# KiCad board selen-full_narrow.kicad_pcb
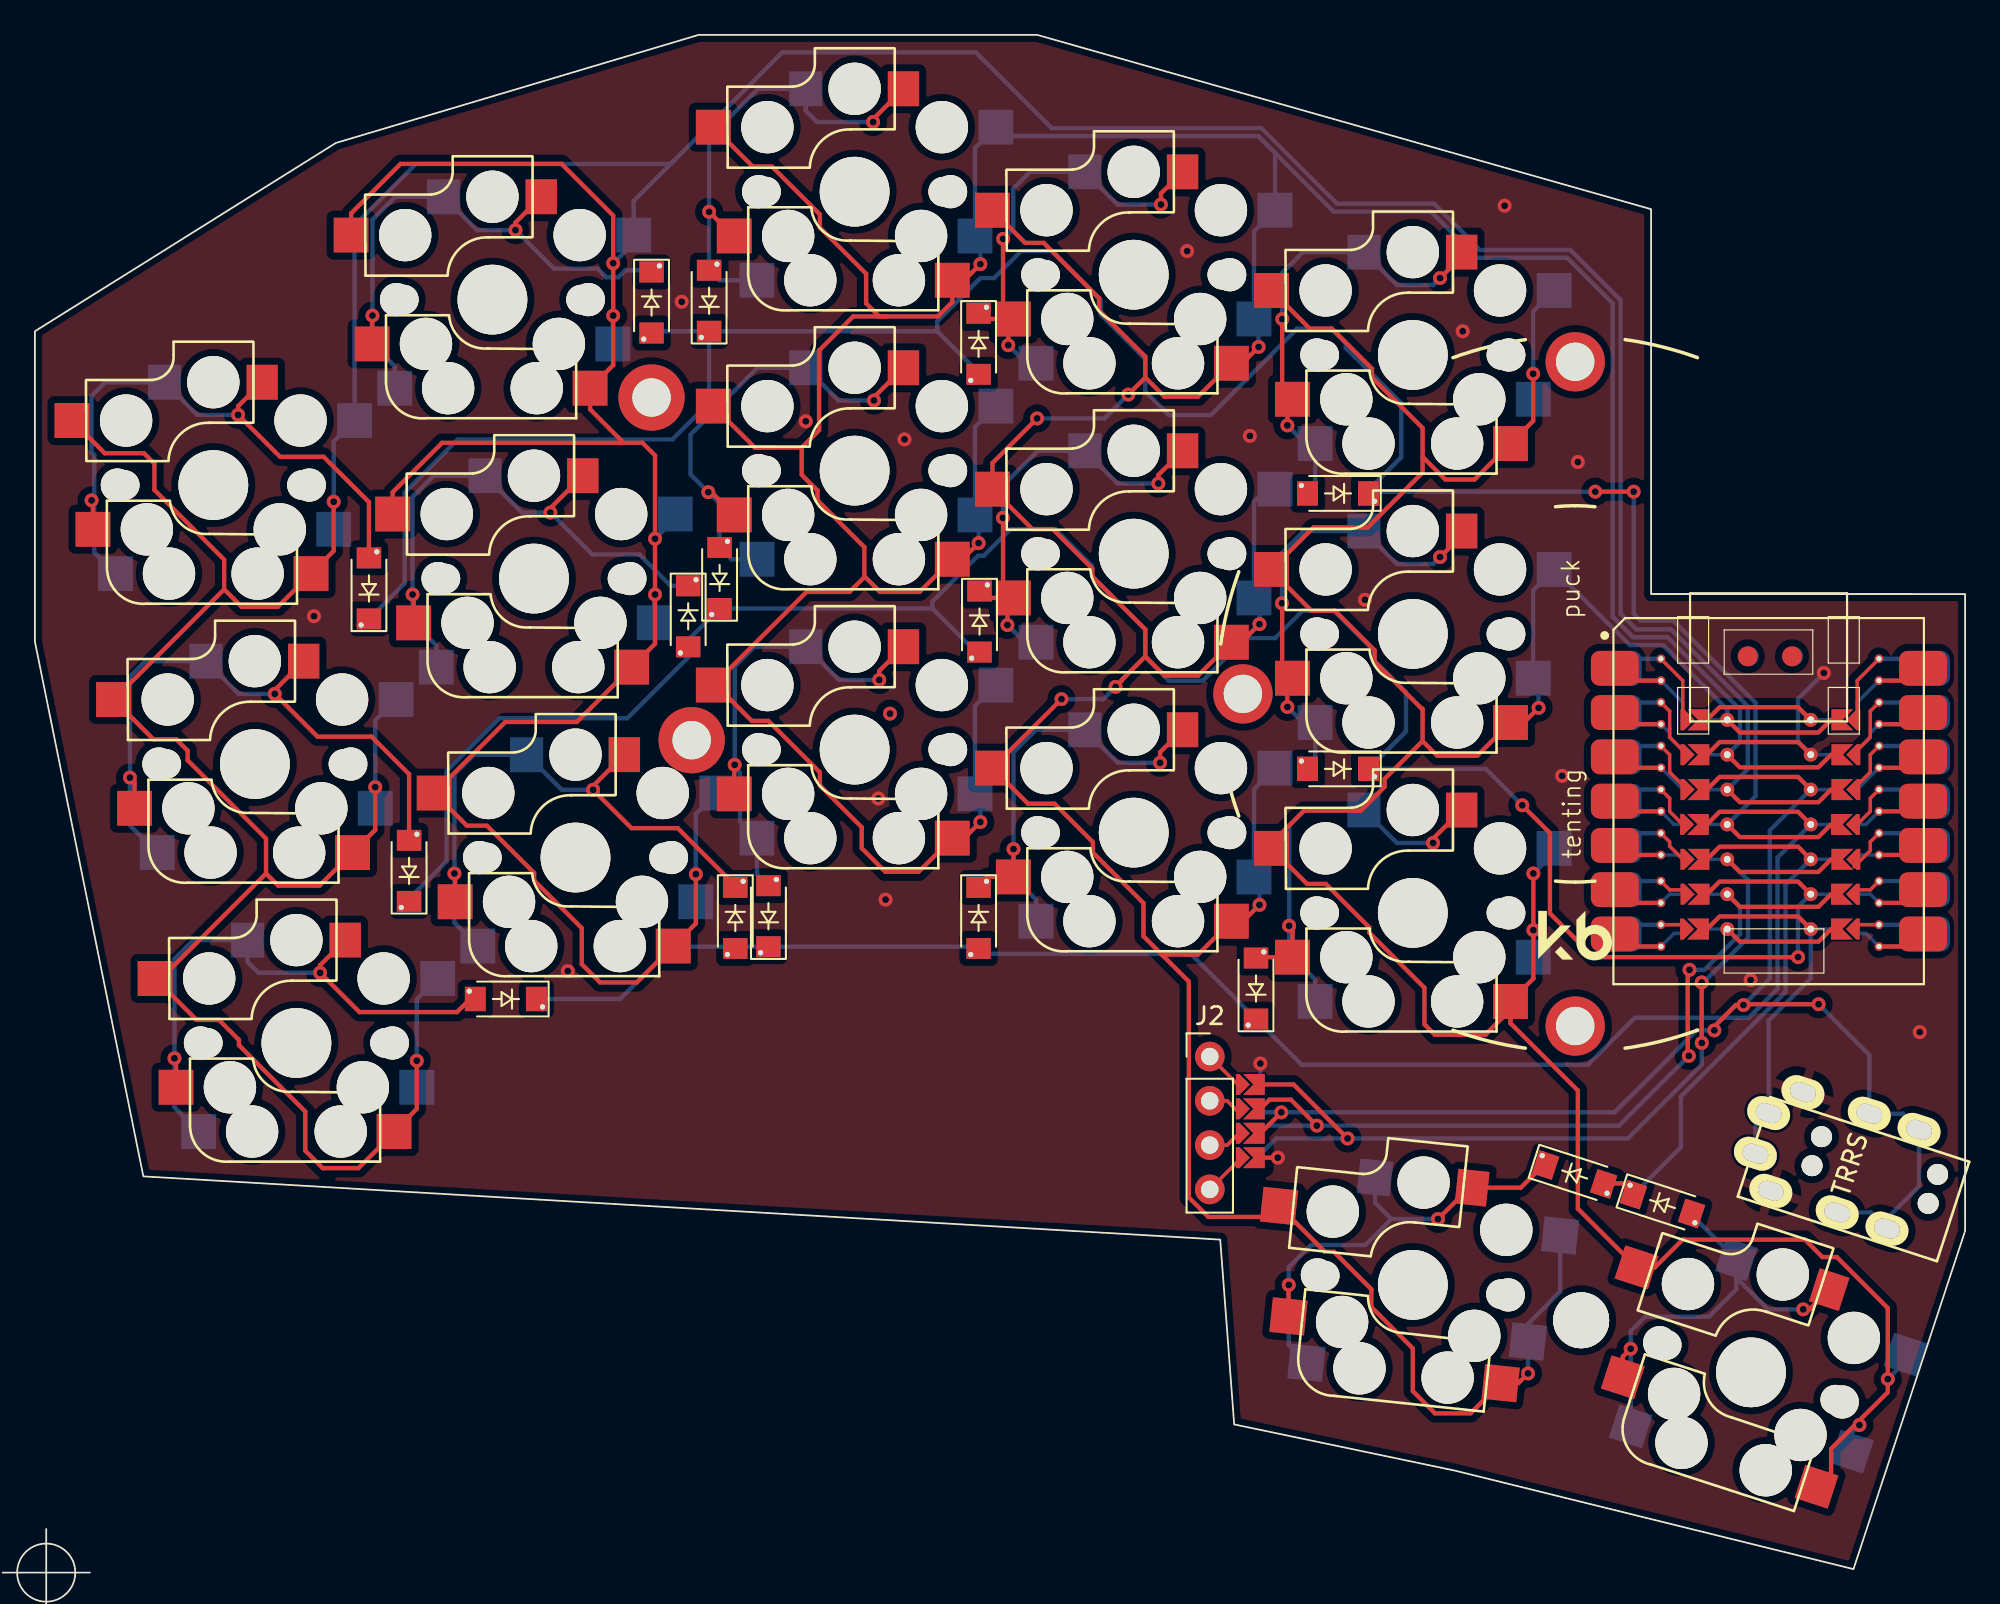
[diagram p0: board, top side]
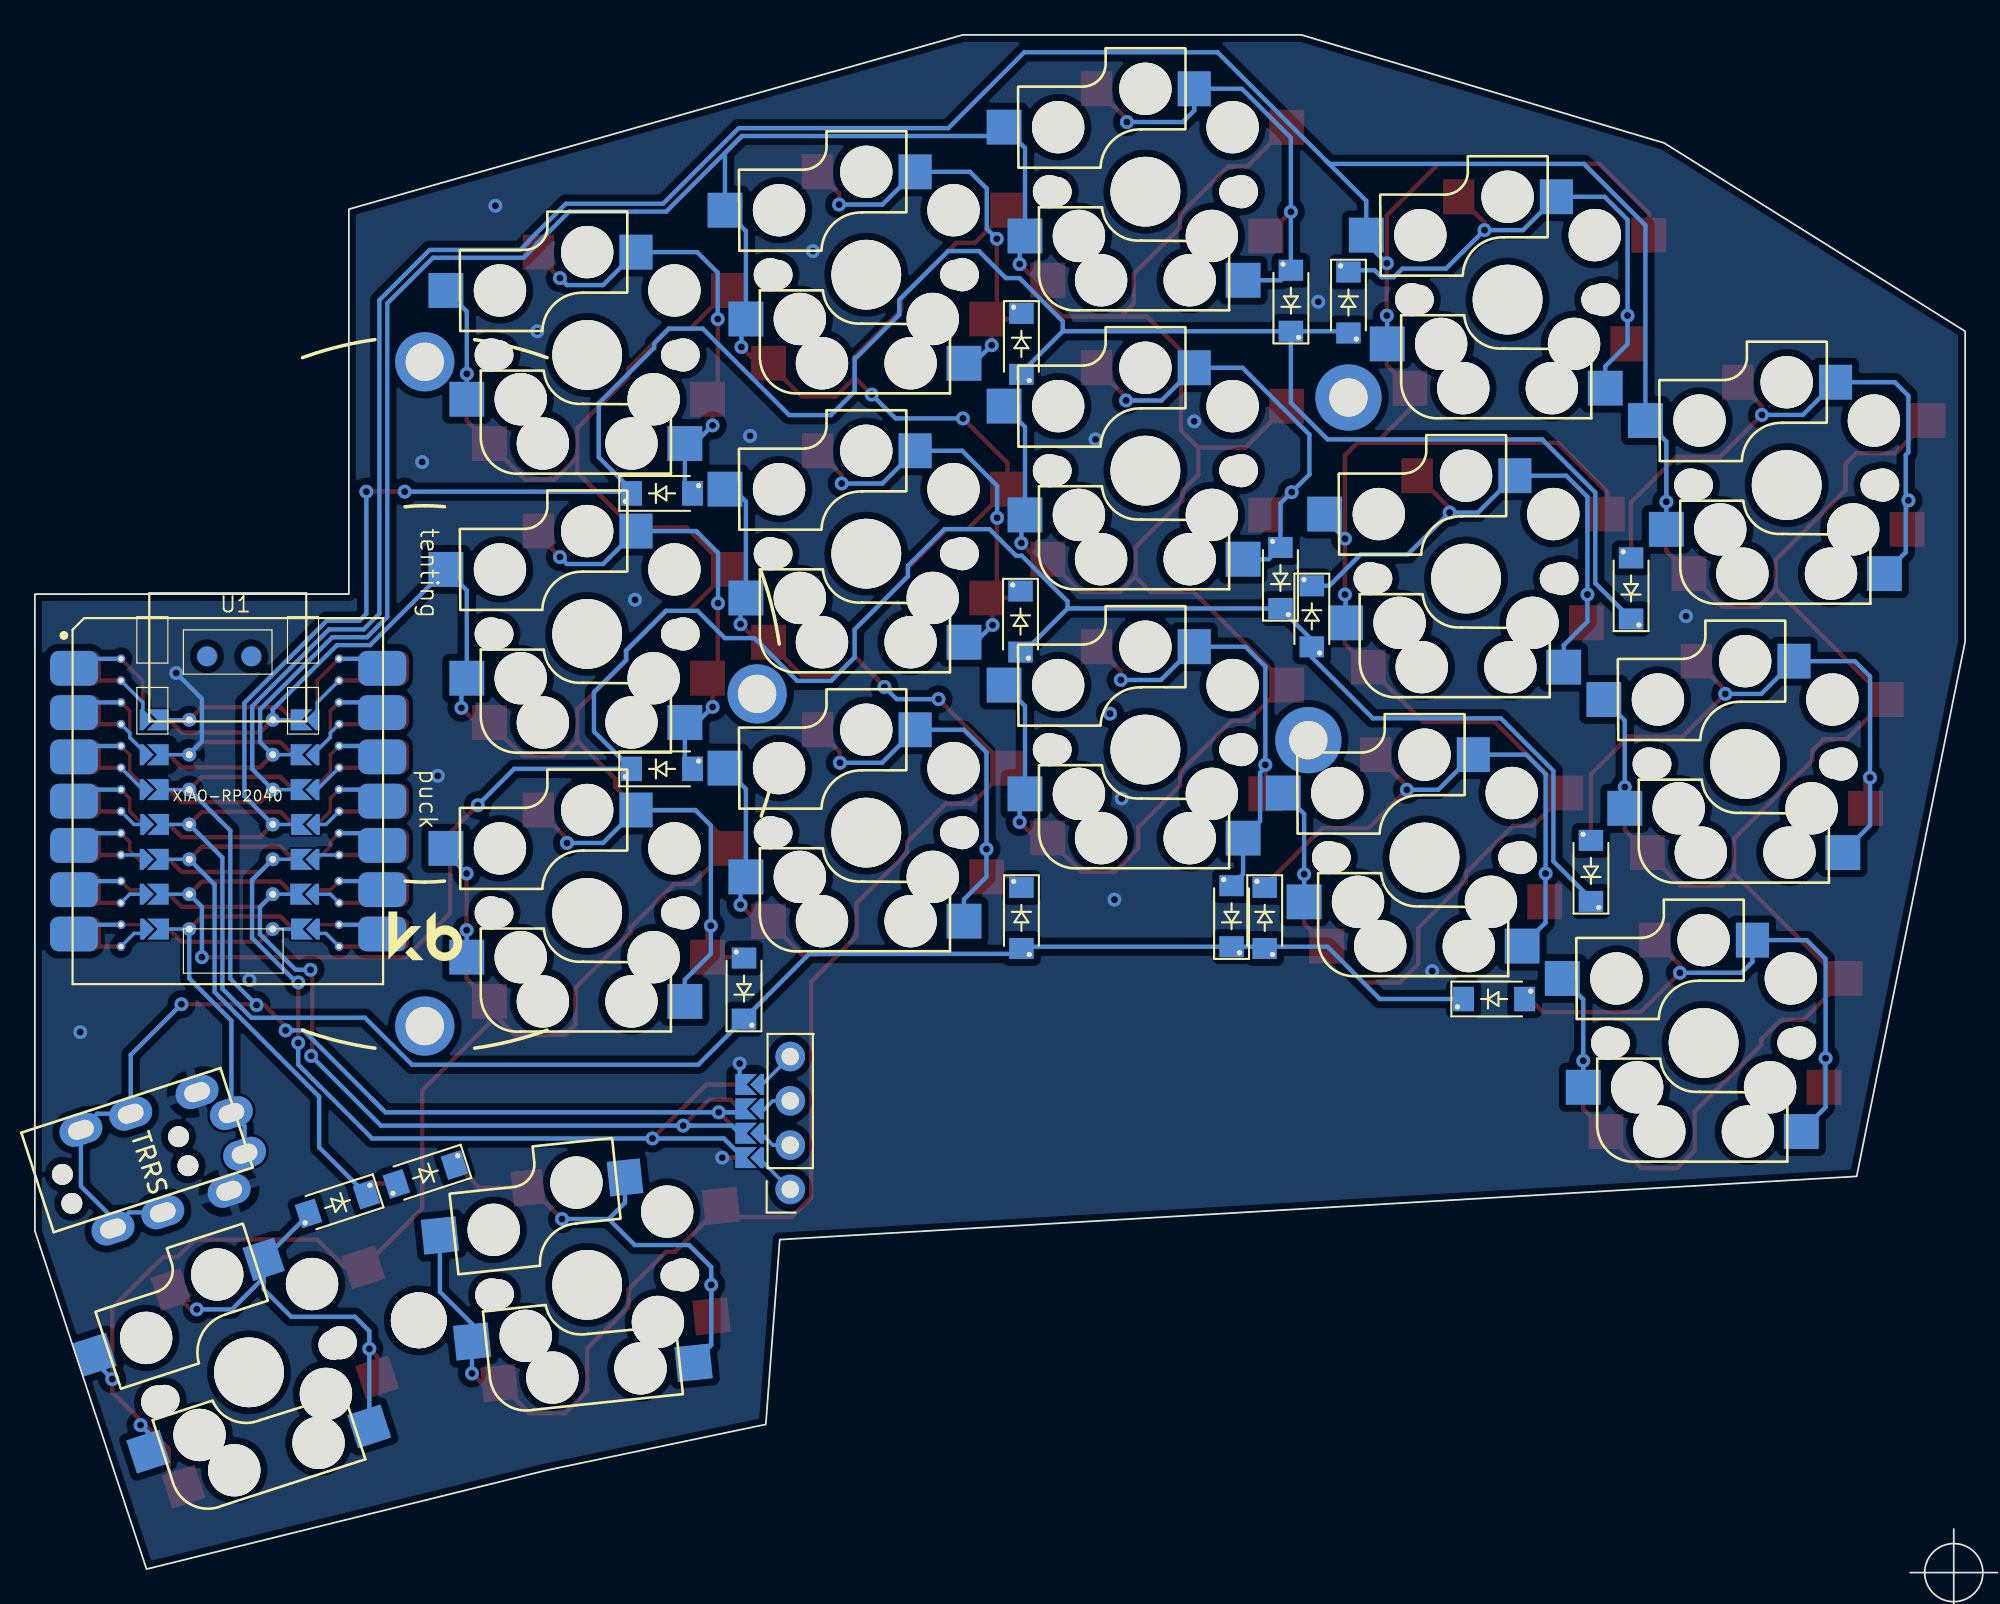
[diagram p1: board, bottom side, seen from below]

Outline 110.65 x 88 mm; copper layers: Top, Bottom. Coordinates in mm from the lower left corner of the outline.
Outline path: 92.65,78 92.65,55.93 110.65,55.93 110.65,19.4 104.25,0 81.4,5.65 68.75,8.3 67.95,18.9 6.22,22.53 0,53.2 0,71 17.25,81.8 38.05,88 57.45,88 closed
Stack: Top 0.035mm / dielectric 1.51mm FR4 er 4.5 / Bottom 0.035mm

## Placement (name value [footprint] x y rotation side)
D1  D  [D_SOD-123_axial]  19.15 56.2 90 top
D2  D  [D_SOD-123_axial]  35.35 72.7 270 top
D3  D  [D_SOD-123_axial]  38.65 72.7 90 top
D4  D  [D_SOD-123_axial]  54.1 70.33 270 top
D5  D  [D_SOD-123_axial]  74.75 61.7 180 top
D6  D  [D_SOD-123_axial]  21.45 40 90 top
D7  D  [D_SOD-123_axial]  37.45 54.7 270 top
D8  D  [D_SOD-123_axial]  39.25 56.8 90 top
D9  D  [D_SOD-123_axial]  54.15 54.4 270 top
D10  D  [D_SOD-123_axial]  74.75 45.9 180 top
D11  D  [D_SOD-123_axial]  27.05 32.7 180 top
D12  D  [D_SOD-123_axial]  40.15 37.4 270 top
D13  D  [D_SOD-123_axial]  42.05 37.4 90 top
D14  D  [D_SOD-123_axial]  54.1 37.4 270 top
D15  D  [D_SOD-123_axial]  70 33.25 90 top
D16  D  [D_SOD-123_axial]  88.22 22.65 342 top
D17  D  [D_SOD-123_axial]  93.26 20.96 342 top
J1  AudioJack4  [MJ-4PP-9]  109.96 20.51 252 top
J2  Conn_01x04  [PinHeader_1x04_P2.54mm_Vertical axial right]  67.35 29.4 0 top
REF**  -  [MountingHole_2.2mm_M2_DIN965_Pad]  35.35 67.2 0 top
REF**#2  Tenting Puck  [Tenting_Puck_1-3]  88.3 50.2 0 top
REF**#3  -  [MountingHole_2.2mm_M2_DIN965_Pad]  37.65 47.55 0 top
REF**#4  -  [MountingHole_3.2mm_M3]  88.64 14.27 0 top
SW1  SW_Push  [CherryMX_Choc_Hotswap]  10.23 62.18 180 top
SW2  SW_Push  [CherryMX_Choc_Hotswap]  26.23 72.82 180 top
SW3  SW_Push  [CherryMX_Choc_Hotswap]  46.99 79.01 180 top
SW4  SW_Push  [CherryMX_Choc_Hotswap]  62.99 74.24 180 top
SW5  SW_Push  [CherryMX_Choc_Hotswap]  78.99 69.64 180 top
SW6  SW_Push  [CherryMX_Choc_Hotswap]  12.61 46.18 180 top
SW7  SW_Push  [CherryMX_Choc_Hotswap]  28.61 56.82 180 top
SW8  SW_Push  [CherryMX_Choc_Hotswap]  46.99 63.01 180 top
SW9  SW_Push  [CherryMX_Choc_Hotswap]  62.99 58.24 180 top
SW10  SW_Push  [CherryMX_Choc_Hotswap]  78.99 53.64 180 top
SW11  SW_Push  [CherryMX_Choc_Hotswap]  14.99 30.18 180 top
SW12  SW_Push  [CherryMX_Choc_Hotswap]  30.99 40.82 180 top
SW13  SW_Push  [CherryMX_Choc_Hotswap]  46.99 47.01 180 top
SW14  SW_Push  [CherryMX_Choc_Hotswap]  62.99 42.24 180 top
SW15  SW_Push  [CherryMX_Choc_Hotswap]  78.99 37.64 180 top
SW16  SW_Push  [CherryMX_Choc_Hotswap]  78.99 16.3 174 top
SW17  SW_Push  [CherryMX_Choc_Hotswap]  98.37 11.29 162 top
U1  XIAO-RP2040  [XIAO-MOUDLE14P-2.54-21X17.8MM_SMD_reversible]  89.21 33.46 0 top

## Footprints (pads in the part's own frame, mm; a bottom-side part is the same pattern mirrored in y, then rotated)
CherryMX_Choc_Hotswap
  round 1.9 hole 1.9 unplated: (-5.5,0) (5.5,0)
  round 1.7 hole 1.7 unplated: (-5.08,0) (5.08,0)
  round 3 hole 3 unplated: (-5,-3.7) (-3.81,2.54) (-2.54,5.08) (0,-5.9) (2.54,5.08) (3.81,2.54) (5,-3.7)
  round 4 hole 4 unplated: (0,0)
  rect 2x2 smd far side: 1(-8.1,-3.7) 1(-6.9,2.54) 2(5.6,5.08)
  rect 2x2 smd: 1(-5.6,5.08) 1(8.1,-3.7) 2(6.9,2.54)
  rect 1.8x2 smd: 2(-2.8,-5.9)
  rect 1.9x2 smd far side: 2(2.8,-5.9)
D_SOD-123_axial
  round 0.5 hole 0.3: 1(-2.05,0.45) 2(2.15,-0.45)
  rect 1.2x1.4 smd: 1(-1.7,0) 2(1.8,0)
  rect 1.2x1.4 smd far side: 1(-1.7,0) 2(1.8,0)
MJ-4PP-9
  round 1.2 hole 1.2 unplated: (-1.75,-1.5) (-1.75,-8.5) (0,-8.5) (0,-1.5)
  oval 1.7x2.5 hole 1x1.5: A(-2.1,-11.8) A(0.35,-11.8) B(-3.85,-3.3) B(2.1,-3.3) C(-3.85,-6.3) C(2.1,-6.3) D(-3.85,-10.3) D(2.1,-10.3)
MountingHole_2.2mm_M2_DIN965_Pad
  round 3.8 hole 2.2: 1(0,0)
MountingHole_3.2mm_M3
  round 3.2 hole 3.2 unplated: (0,0) (0,0)
PinHeader_1x04_P2.54mm_Vertical axial right
  oval 1.7x1.7 hole 1: (0,0) (0,-2.54) (0,-5.08) (0,-7.62)
  custom 0.8x1.2 smd: (1.9,-1.6) (1.9,-3) (1.9,-4.4) (1.9,-5.8)
  custom 0.8x1.2 smd far side: (1.9,-1.6) (1.9,-3) (1.9,-4.4) (1.9,-5.8)
  custom 1.25x1.2 smd far side: 1(2.9,-1.6) 2(2.9,-3) 3(2.9,-4.4) 4(2.9,-5.8)
  custom 1.25x1.2 smd: 1(2.9,-5.8) 2(2.9,-4.4) 3(2.9,-3) 4(2.9,-1.6)
Tenting_Puck_1-3
  round 3.4 hole 2.2: 1(-19.05,0) 1(0,19.05) 1(0,-19.05)
XIAO-MOUDLE14P-2.54-21X17.8MM_SMD_reversible
  rrect 2.748x1.999 smd: (1.358,18.206) (1.358,15.666) (1.358,13.126) (1.358,10.586) (1.358,8.046) (1.358,5.506) (1.358,2.966) (19.024,18.206) (19.024,15.666) (19.024,13.126) (19.024,10.586) (19.024,8.046) (19.024,5.506) (19.024,2.966)
  rrect 2.748x1.999 smd far side: (1.524,18.206) (1.524,15.666) (1.524,13.126) (1.524,10.586) (1.524,8.046) (1.524,5.506) (1.524,2.966) (19.191,18.206) (19.191,15.666) (19.191,13.126) (19.191,10.586) (19.191,8.046) (19.191,5.506) (19.191,2.966)
  round 0.5 hole 0.3: (4,18.75) (4,17.5) (4,16.25) (4,15) (4,13.75) (4,12.5) (4,11.25) (4,10) (4,8.75) (4,7.5) (4,6) (4,4.75) (4,3.5) (4,2.25) (16.5,18.75) (16.5,17.5) (16.5,16.25) (16.5,15) (16.5,13.75) (16.5,12.5) (16.5,11.25) (16.5,10) (16.5,8.75) (16.5,7.5) (16.5,6) (16.5,4.75) (16.5,3.5) (16.5,2.25)
  custom 0.8x1.2 smd: (5.5,9.25) (5.5,3.25) (5.524,15.25) (5.524,13.25) (5.524,11.25) (5.524,7.25) (5.524,5.25) (15,9.25) (15,5.25) (15,3.25) (15.024,15.25) (15.024,13.25) (15.024,11.25) (15.024,7.25)
  custom 0.8x1.2 smd far side: (5.5,9.25) (5.5,3.25) (5.524,15.25) (5.524,13.25) (5.524,11.25) (5.524,7.25) (5.549,5.25) (15,9.25) (15,3.25) (15.024,15.25) (15.024,13.25) (15.024,11.25) (15.024,7.25) (15.024,5.25)
  custom 1.25x1.2 smd far side: 1(6.524,15.25) 2(6.524,13.25) 3(6.524,11.25) 4(6.5,9.25) 5(6.524,7.25) 6(6.549,5.25) 7(6.5,3.25) 8(14,3.25) 9(14.024,5.25) 10(14.024,7.25) 11(14,9.25) 12(14.024,11.25) 13(14.024,13.25) 14(14.024,15.25)
  custom 6.2x0.975 smd: 1(7.801,15.25) 2(7.801,13.25) 3(7.801,11.25) 4(7.801,9.25) 5(7.801,7.25) 6(7.801,5.25) 7(7.801,3.25) 8(12.587,3.25) 9(12.587,5.25) 10(12.587,7.25) 11(12.587,9.25) 12(12.587,11.25) 13(12.587,13.25) 14(12.587,15.25)
  round 0.8 hole 0.4: 1(7.801,15.25) 2(7.801,13.25) 3(7.801,11.25) 4(7.801,9.25) 5(7.801,7.25) 6(7.801,5.25) 7(7.801,3.25) 8(12.587,3.25) 9(12.587,5.25) 10(12.587,7.25) 11(12.587,9.25) 12(12.587,11.25) 13(12.587,13.25) 14(12.587,15.25)
  custom 1.25x1.2 smd: 1(14.024,15.25) 2(14.024,13.25) 3(14.024,11.25) 4(14,9.25) 5(14.024,7.25) 6(14,5.25) 7(14,3.25) 8(6.5,3.25) 9(6.524,5.25) 10(6.524,7.25) 11(6.5,9.25) 12(6.524,11.25) 13(6.524,13.25) 14(6.524,15.25)
  round 1.143 smd: 17(8.973,18.893) 18(11.513,18.893)
  round 1.143 smd far side: 17(11.576,18.893) 18(9.036,18.893)

## Nets
+3V3: J1.B J1.C J2.2 U1.12
GND: J1.D J2.1 U1.13
col0: SW1.1 SW2.1 SW6.1 SW7.1 SW11.1 SW12.1 U1.3
col1: SW3.1 SW4.1 SW8.1 SW9.1 SW13.1 SW14.1 SW16.1 U1.2
col2: SW5.1 SW10.1 SW15.1 SW17.1 U1.1
data: J1.A U1.8
row0: D1.1 D2.2 D3.1 D4.2 D5.1 U1.4
row1: D6.1 D7.2 D8.1 D9.2 D10.1 U1.9
row2: D11.1 D12.2 D13.1 D14.2 D15.1 U1.11
row3: D16.2 D17.1 U1.10
SCL: J2.3 U1.6
SDA: J2.4 U1.5
Net-(D1-Pad2): D1.2 SW1.2
Net-(D2-Pad1): D2.1 SW2.2
Net-(D3-Pad2): D3.2 SW3.2
Net-(D4-Pad1): D4.1 SW4.2
Net-(D5-Pad2): D5.2 SW5.2
Net-(D6-Pad2): D6.2 SW6.2
Net-(D7-Pad1): D7.1 SW7.2
Net-(D8-Pad2): D8.2 SW8.2
Net-(D9-Pad1): D9.1 SW9.2
Net-(D10-Pad2): D10.2 SW10.2
Net-(D11-Pad2): D11.2 SW11.2
Net-(D12-Pad1): D12.1 SW12.2
Net-(D13-Pad2): D13.2 SW13.2
Net-(D14-Pad1): D14.1 SW14.2
Net-(D15-Pad2): D15.2 SW15.2
Net-(D16-Pad1): D16.1 SW16.2
Net-(D17-Pad2): D17.2 SW17.2

Pads without a net: REF** 1; REF**#2 1; REF**#3 1; U1 7 14 17 18

## Via types
v1: diameter 0.8, hole 0.4, Top to Bottom, 97 vias

## Routing (per net, layer and track width the routed paths; a pad name or vN(x,y) marks a point on that pad's centre or on a via; arc(x,y) is an arc through that point)
+3V3: length 71.2
  Top w0.25: v1(102.25,32.4) 97.99,32.4 v1(97.94,32.36) 97.51,32.36 96.27,31.12 v1(96.27,30.9) ; J2.2 v1(71.45,26.2)
  Bottom w0.25: J1.C 105.24,20.46 J1.B 106.17,20.12 108.01,21.96 J1.B 107.08,26.12 J1.C 105.16,29.49 v1(102.25,32.4) ; J2.2 70.45,26.2 90.55,26.2 91.35,27 ; v1(97.94,32.36) 99.45,33.86 99.45,42.36 101.5,44.41 ; v1(96.27,30.9) 95.86,30.9 95.86,30.91 95.26,30.91 91.35,27 ; 91.35,27 90.75,26.4
GND: length 7.4
  Top w0.25: J2.1 v1(71.25,23.6)
  Bottom w0.25: J2.1 v1(70.25,29) ; 101.5,47.01 101.52,47.03 101.08,47.47 101.08,49.93 v1(102.55,51.4)
  vias: v1(16,54.66) v1(30.55,34.3) v1(37.08,72.69) v1(44.19,65.83) v1(48.35,44.2) v1(48.76,38.4) v1(49.85,64.8) v1(66.05,75.6) v1(69.65,65) v1(76.25,55.6) v1(81.85,71) v1(84.25,78.2) v1(87.55,45.5) v1(88.45,63.5) v1(98.35,33.79) v1(108.05,30.8)
(no net):
  vias: v1(49.02,49.07)
col0: length 361.8
  Top w0.25: 33.75,64.6 23.34,64.6 20.51,61.77 SW7.1 ; 33.75,64.6 31.83,66.52 SW2.1 33.15,69.06 v1(33.15,71.9) v1(33.15,74.9) 33.15,77.64 30.19,80.6 20.96,80.6 18.13,77.77 SW2.1 ; 33.75,64.6 34.83,64.6 35.55,63.88 v1(35.55,59.1) v1(35.55,55.9) 35.55,53.08 SW7.1 31.06,48.59 26.97,48.59 22.89,44.52 24.77,42.64 25.91,42.64 28.62,39.93 28.62,39.5 31.35,36.77 31.35,34.7 32.4,33.65 34.51,33.65 SW12.1 37.89,37.04 v1(37.89,39.86) ; 10.85,56.2 10.85,57.9 6.85,61.9 6.85,63.4 6.25,64 4,64 SW1.1 ; 10.85,56.2 4.53,49.88 SW6.1 6.79,47.6 8.1,47.6 8.75,46.95 8.75,46.4 13.25,41.9 13.25,39.9 ; 10.85,56.2 11.85,55.2 13.93,55.2 SW1.1 17.13,58.4 v1(17.13,61.22) ; 13.25,39.9 7.23,33.88 SW11.1 9.27,31.5 10.55,31.5 11.7,30.35 11.7,30.05 15.5,26.25 15.5,24 16.5,23 18.55,23 20.59,25.04 SW11.1 21.89,26.4 v1(21.89,29.16) ; 13.25,39.9 13.95,39.2 16.31,39.2 SW6.1 19.51,42.4 v1(19.51,44.85)
  Bottom w0.25: 97.31,45.01 98.19,45.89 98.19,49.5 93.79,53.9 91.8,53.9 90.9,54.8 90.9,72.79 88.02,75.67 82.82,75.67 82.35,76.14 82.35,76.17 80.21,78.32 74.64,78.32 70.31,82.65 58.29,82.65 53.94,87 42.85,87 36.65,80.8 ; SW7.1 35.51,55.86 v1(35.55,55.9) ; SW12.1 v1(37.89,39.86) 37.89,43.32 SW12.1 ; 36.65,80.8 34.33,78.48 SW2.1 34.33,76.08 v1(33.15,74.9) ; 36.65,80.8 36.45,80.6 21.85,80.6 18.33,77.08 SW1.1 17.13,64.68 v1(17.13,61.22) SW1.1 ; SW6.1 19.51,48.68 SW6.1 ; SW11.1 21.89,32.68 v1(21.89,29.16) SW11.1 ; SW7.1 36.71,60.26 v1(35.55,59.1) ; v1(33.15,71.9) 33.13,71.88 SW2.1
col1: length 356.5
  Top w0.25: 47.55,56.95 47.55,56.9 46.7,56.05 44.24,56.05 SW13.1 39.04,50.71 41.1,48.65 42.05,48.65 45,45.7 45,44.95 47.4,42.55 47.4,41.35 48.75,40 50.66,40 SW13.1 53.28,41.93 v1(54.2,42.85) ; 47.55,56.95 48.45,56.05 50.71,56.05 SW8.1 53.18,57.93 v1(54.1,58.85) ; 47.55,56.95 47.55,58.62 44.87,61.3 44.87,61.86 44.86,61.86 43.96,62.76 43.96,64.33 ; v1(70.15,70.1) 69.21,69.16 SW4.1 66.68,67.25 64.75,67.25 63.66,68.34 ; v1(70.2,54.2) 69.16,53.16 SW9.1 66.68,51.25 64.76,51.25 63.66,52.35 ; 62.31,51 62.31,50.96 v1(61.95,50.6) ; 62.31,51 63.66,52.35 ; 62.31,51 62.59,51.29 ; SW8.1 41.27,64.33 ; 41.27,64.33 43.96,64.33 ; 41.27,64.33 42.4,64.33 ; 63.66,68.34 v1(62.68,67.37) 62.6,67.29 ; 63.66,68.34 63.66,69.54 61,72.2 61,72.9 57.83,76.07 56.77,76.07 SW4.1 ; v1(85.59,11.22) 85.04,10.67 SW16.1 82.3,8.94 80.26,8.94 78.99,10.21 78.99,12.66 76.61,15.03 76.61,16.05 74.46,18.2 73.95,18.2 SW16.1 ; 63.66,52.35 63.66,53.89 60.62,56.93 60.62,57.38 58.35,59.65 57.18,59.65 SW9.1 54.89,63.44 v1(57.45,66) ; SW3.1 41.15,80.45 42.25,80.45 45,77.7 45,76.95 47.65,74.3 47.65,72.6 48.4,71.85 48.8,71.85 ; 43.96,64.33 44.95,65.33 44.95,69.9 46.91,71.85 48.8,71.85 ; v1(54.2,74.85) 53.28,73.93 SW3.1 52.59,72.68 51.76,71.85 48.8,71.85 ; 64.6,35.25 66.15,33.7 66.15,21.32 67.27,20.2 70.25,20.2 ; 64.6,35.25 65.9,35.25 ; 64.6,35.25 63.55,36.3 63.55,38.2 60.65,41.1 60.65,41.7 58.45,43.9 56.93,43.9 SW14.1 58.85,49.9 v1(58.85,49.9) ; 65.9,35.25 66.68,35.25 SW14.1 69.26,37.16 v1(70.2,38.1) ; 65.9,35.25 66.34,35.25
  Bottom w0.25: SW13.1 53.89,49.51 SW13.1 54.2,44.16 v1(54.2,42.85) ; v1(57.45,66) 61.31,66 v1(62.68,67.37) ; 70.12,82.2 71.09,81.23 SW4.1 69.89,76.74 SW4.1 70.15,71.44 v1(70.15,70.1) ; 70.12,82.2 74.46,77.87 80.02,77.87 81.9,75.99 81.9,75.95 82.63,75.22 87.83,75.22 90.45,72.6 90.45,54.62 91.62,53.45 93.6,53.45 97.74,49.31 97.74,47.44 97.31,47.01 ; 70.12,82.2 55.6,82.2 SW3.1 53.89,81.51 SW3.1 54.2,76.16 v1(54.2,74.85) ; v1(54.1,58.85) 54.1,60.26 SW8.1 53.89,65.51 SW8.1 ; v1(85.59,11.22) 85.59,13.05 SW16.1 85.59,14.06 87.43,15.91 SW16.1 ; v1(58.85,49.9) 61.25,49.9 v1(61.95,50.6) ; v1(70.2,54.2) 70.2,55.39 SW9.1 69.89,61.24 70.6,61.94 ; 70.6,45.45 69.89,44.74 SW14.1 70.2,39.39 v1(70.2,38.1)
col2: length 181.8
  Top w0.25: 79.55,63.8 79.55,65.45 76.65,68.35 76.65,68.85 74.35,71.15 73.08,71.15 SW5.1 ; 79.55,63.8 79.55,62.9 76.4,59.75 73.3,59.75 SW10.1 70.89,57.26 73.18,54.97 74.53,54.97 76.8,52.7 76.8,52.05 79.5,49.35 79.55,49.35 79.55,47.49 ; 79.55,63.8 80.85,62.5 82.53,62.5 SW5.1 85.89,65.86 v1(85.89,68.56) ; v1(86.2,49.4) 85.36,48.56 SW10.1 82.68,46.65 80.39,46.65 79.55,47.49 ; SW15.1 85.9,33.87 v1(85.9,36.65) v1(85.9,39.9) ; SW15.1 84.59,32.09 83.15,30.65 80.25,30.65 79.65,31.25 79.65,33.35 76.5,36.5 76.5,36.8 74,39.3 72.93,39.3 SW15.1 70.89,41.64 72.75,43.5 76,43.5 77.38,44.88 77.38,45.33 79.54,47.49 79.55,47.49 ; SW15.1 84.59,31.31 88.45,27.45 88.45,20.67 SW17.1 92.87,17.31 94.46,18.9 101.47,18.9 102.47,17.9 103.29,17.9 106.22,14.97 v1(106.22,10.9) 106.22,10.15 102.97,6.9 102.97,5.56 SW17.1
  Bottom w0.25: SW5.1 85.89,72.14 v1(85.89,68.56) SW5.1 ; SW17.1 107.22,11.9 v1(106.22,10.9) ; SW15.1 85.89,36.64 v1(85.9,36.65) ; SW17.1 104.15,7.82 v1(104.59,8.26) ; 97.01,49.14 97.01,49.31 93.33,53 91.43,53 SW10.1 85.89,56.14 SW10.1 86.2,50.79 v1(86.2,49.4) ; SW15.1 87.09,41.09 v1(85.9,39.9)
data: length 13.8
  Bottom w0.25: 101.8,36.29 101.8,33.88 99.39,31.46 J1.A 98.63,25.4 J1.A
row0: length 134.1
  Top w0.25: v1(89.45,61.8) v1(91.65,61.8)
  Bottom w0.25: 51.73,71 54.1,68.63 ; 51.73,71 D3.1 ; 51.73,71 51.73,71.57 54.21,74.05 54.98,74.05 56.53,75.6 58.3,75.6 61.1,72.8 61.1,71.95 63.55,69.5 63.6,69.5 63.66,69.44 63.66,67.55 65.01,66.19 67.41,66.19 72.36,71.15 74.3,71.15 75.15,70.3 75.15,70.05 78.33,66.87 78.33,63.78 76.45,61.9 76.55,61.8 v1(89.45,61.8) ; D3.1 35.35,71 ; D3.1 38.65,66.9 36.55,64.8 24.25,64.8 21.2,61.75 21.2,56.55 D1.1 ; v1(91.65,61.8) 91.65,54.8 92.05,54.4 93.92,54.4 98.64,49.68 98.64,44.34 97.31,43.01
row1: length 123.1
  Top w0.25: v1(85.26,43.81) 86.85,42.22 86.85,37.61 89.36,35.1 v1(101.08,35.1)
  Bottom w0.25: 51.45,55.1 54.1,52.45 ; 51.45,55.1 D8.1 37.45,53.3 D7.2 37.45,52.3 33.95,48.8 26.61,48.8 23.6,45.79 23.6,40.6 21.45,38.45 D6.1 ; 51.45,55.1 51.45,55.5 54.08,58.12 54.4,58.12 55.93,59.65 58.5,59.65 60.6,57.55 60.6,56.95 63.66,53.89 63.66,52.3 65.01,50.95 66.95,50.95 69.4,53.4 71.1,53.4 72.67,54.97 74.47,54.97 76.75,52.68 76.75,52.15 78.6,50.3 78.6,48.05 D10.1 83.17,45.9 v1(85.26,43.81) ; v1(101.08,35.1) 101.08,37.99 101.5,38.41
row2: length 86.8
  Bottom w0.25: 101.5,42.41 99.9,40.81 99.9,33.29 98.24,31.62 91.72,31.62 89.03,28.93 72.62,28.93 D15.1 66.26,35.29 54.51,35.29 54.1,35.7 D13.1 36.55,35.7 33.55,32.7 D11.1
row3: length 25.1
  Top w0.25: 89.83,22.12 91,22.12 D17.1
  Bottom w0.25: D17.1 94.36,24.2 94.36,27.11 100.35,33.1 100.35,39.26 101.5,40.41
SCL: length 41.9
  Top w0.25: v1(94.81,29.44) 94.75,29.5 94.75,34.28 v1(94.85,34.38) ; v1(73.49,25.44) 72,26.93 70.78,26.93 J2.3
  Bottom w0.25: v1(94.85,34.38) 95.7,34.38 97.75,36.42 97.75,37.98 97.31,38.41 ; J2.3 70.69,25.44 v1(73.49,25.44) ; 72.99,25.44 90.81,25.44 v1(94.81,29.44)
SDA: length 46.7
  Top w0.25: J2.4 72.15,27.8 v1(75.25,24.7) ; v1(95.55,33.65) 95.55,30.19 v1(95.56,30.18)
  Bottom w0.25: 70.25,23.8 71.15,24.7 91.31,24.7 95.56,28.94 v1(95.56,30.18) ; 97.31,40.41 98.2,39.53 98.2,36.2 95.65,33.65 v1(95.55,33.65)
Net-(D1-Pad2): length 37.2
  Top w0.25: v1(3.25,61.3) 3.33,61.22 SW1.2 ; SW1.2 11.65,66.7 v1(11.65,66.2) 14.05,63.8 16.55,63.8 19.15,61.2 D1.2
  Bottom w0.25: SW1.2 3.4,58.32 3.4,63.91 3.25,64.06 3.25,67.3 4.03,68.08 SW1.2 9.3,66.2 v1(11.65,66.2)
Net-(D2-Pad1): length 33
  Top w0.25: v1(27.55,76.8) 27.55,77.24 SW2.2 ; SW2.2 19.33,71.88 v1(19.35,71.9)
  Bottom w0.25: 35.35,74.5 33.85,74.5 33.45,74.1 32.75,74.1 32.26,74.59 29.76,74.59 v1(27.55,76.8) 25.34,76.8 SW2.2 20.67,78.72 19.35,77.4 v1(19.35,71.9) 19.35,70.26 20.63,68.98 SW2.2
Net-(D3-Pad2): length 27.3
  Top w0.25: v1(38.65,77.85) 40.03,76.47 SW3.2 ; 49.79,84.91 48.05,83.17 v1(48.05,83)
  Bottom w0.25: SW3.2 39.22,73.93 D3.2 v1(38.65,77.85) 38.65,82.1 41.46,84.91 SW3.2 44.19,83.66 44.85,83 v1(48.05,83)
Net-(D4-Pad1): length 26.1
  Top w0.25: SW4.2 55.8,71.41 v1(55.8,70.2) ; SW4.2 55.5,72.29 55.5,76.29 v1(55.51,76.3) ; SW4.2 54.52,71.7 54.1,72.13 ; v1(64.55,78.27) 64.55,78.9 SW4.2
  Bottom w0.25: v1(55.51,76.3) 56.08,76.87 56.08,79.18 57.04,80.14 SW4.2 62.07,78.27 v1(64.55,78.27) ; v1(55.8,70.2) 56.84,69.16 SW4.2 ; 54.43,72.13 54.1,72.13
Net-(D5-Pad2): length 26.7
  Top w0.25: SW5.2 81.79,75.29 v1(80.55,74.05) ; v1(71.8,65.6) 71.8,66.81 SW5.2 71.5,67.69 71.5,71.69 v1(71.51,71.7)
  Bottom w0.25: D5.2 73.39,62.14 SW5.2 72.84,64.56 v1(71.8,65.6) ; v1(71.51,71.7) 71.51,74.36 72.69,75.54 SW5.2 78.08,73.65 80.15,73.65 v1(80.55,74.05)
Net-(D6-Pad2): length 38
  Top w0.25: SW6.2 5.71,45.14 v1(5.45,45.4) ; SW6.2 13.75,50.42 v1(13.75,50.2) 16.2,47.75 19.3,47.75 21.45,45.6 D6.2
  Bottom w0.25: v1(13.75,50.2) 11.69,50.2 SW6.2 6.33,52.08 5.45,51.2 v1(5.45,45.4) 5.45,42.66 SW6.2
Net-(D7-Pad1): length 33.8
  Top w0.25: v1(21.65,55.9) 21.71,55.84 SW7.2 ; SW7.2 29.55,60.86 v1(29.55,60.6)
  Bottom w0.25: D7.1 36.45,56.4 34.65,58.2 31.95,58.2 v1(29.55,60.6) 27.92,60.6 SW7.2 22.87,62.72 21.65,61.5 v1(21.65,55.9) 21.65,54.34 23.01,52.98 SW7.2
Net-(D8-Pad2): length 27.1
  Top w0.25: 49.79,68.91 48.1,67.22 v1(48.1,67.03) ; v1(38.6,61.77) 38.79,61.77 SW8.2
  Bottom w0.25: v1(48.1,67.03) 46.07,67.03 SW8.2 41.42,68.91 37.59,65.07 37.59,62.79 v1(38.6,61.77) 39.25,61.12 D8.2 39.92,57.93 SW8.2
Net-(D9-Pad1): length 25.5
  Top w0.25: v1(55.75,54.15) 55.75,55.36 SW9.2 ; v1(64.4,62.27) 64.4,62.75 SW9.2 ; D9.1 54.55,55.7 SW9.2 ; SW9.2 55.5,56.29 55.5,60.29 v1(55.49,60.3)
  Bottom w0.25: v1(55.49,60.3) 55.49,62.14 57.49,64.14 SW9.2 62.07,62.27 v1(64.4,62.27) ; v1(55.75,54.15) 56.74,53.16 SW9.2
Net-(D10-Pad2): length 26.5
  Top w0.25: v1(71.49,55.4) 71.5,55.39 71.5,51.69 SW10.2 71.8,50.81 v1(71.8,49.45) ; SW10.2 81.79,59.29 v1(80.55,58.05)
  Bottom w0.25: v1(80.55,58.05) 80.15,57.65 78.08,57.65 SW10.2 72.74,59.54 72.65,59.45 72.65,59.45 71.49,58.29 v1(71.49,55.4) ; D10.2 73.39,46.34 SW10.2 72.69,48.56 v1(71.8,49.45)
Net-(D11-Pad2): length 35.1
  Top w0.25: SW11.2 8.09,29.21 v1(8,29.3) ; D11.2 24.95,32.7 24.2,31.95 18.6,31.95 v1(16.35,34.2) 16.35,34.64 SW11.2
  Bottom w0.25: SW11.2 8,26.49 v1(8,29.3) 8,35 9.08,36.08 SW11.2 12.19,34.83 12.82,34.2 v1(16.35,34.2)
Net-(D12-Pad1): length 34.5
  Top w0.25: SW12.2 24.09,39.86 v1(24.05,39.9) ; 33.79,46.72 32,44.92 v1(32,44.7) 34.2,42.5 36.85,42.5 40.15,39.2
  Bottom w0.25: 25.39,35.73 24.05,37.08 v1(24.05,39.9) 24.05,45.6 25.17,46.72 SW12.2 30.21,44.7 v1(32,44.7)
Net-(D13-Pad2): length 27.1
  Top w0.25: SW13.2 40.09,46.11 v1(40.12,46.13) ; 49.79,52.91 48.4,51.52 v1(48.4,51)
  Bottom w0.25: v1(48.4,51) 46.1,51 SW13.2 41.26,52.91 40.12,51.77 v1(40.12,46.13) 40.12,45.98 40.42,45.68 40.42,42.9 SW13.2 41.39,39.86 D13.2
Net-(D14-Pad1): length 26.2
  Top w0.25: v1(64.5,46.25) 64.5,46.85 SW14.2 ; v1(56.1,41.3) 56.09,41.29 SW14.2 54.6,39.7 54.1,39.2
  Bottom w0.25: v1(64.5,46.25) 62.08,46.25 SW14.2 57.39,48.14 56.1,46.85 v1(56.1,41.3) 56.1,39.7 57.39,38.41 SW14.2
Net-(D15-Pad2): length 26.1
  Top w0.25: SW15.2 80.15,41.9 v1(80.15,41.65) ; v1(71.9,36.9) 72.09,36.71 SW15.2 70.5,35.1
  Bottom w0.25: SW15.2 73.39,33.81 71.9,35.3 v1(71.9,36.9) 71.9,42.65 72.79,43.54 SW15.2 78.08,41.65 v1(80.15,41.65)
Net-(D16-Pad1): length 27.6
  Top w0.25: v1(71.88,16.3) 71.86,16.29 SW16.2 ; v1(80.43,20.08) 82.23,21.88 SW16.2 85.18,21.88 86.51,23.21
  Bottom w0.25: 77.76,20.08 76.82,21.01 SW16.2 ; 77.76,20.08 v1(80.43,20.08) ; 77.76,20.08 76.26,18.59 73.15,18.59 71.88,17.32 v1(71.88,16.3) 71.88,12.85 SW16.2
Net-(D17-Pad2): length 27.3
  Top w0.25: v1(101.37,14.9) 101.73,14.9 SW17.2 ; v1(91.48,12.64) 91.03,12.19 SW17.2
  Bottom w0.25: SW17.2 v1(91.48,12.64) 91.48,13.65 92.3,14.48 95.96,14.48 97.54,16.05 SW17.2 ; SW17.2 94.97,20.33 D17.2 ; SW17.2 97.54,16.71 99.35,14.9 v1(101.37,14.9)

## Copper pours and planes (outline as drawn; the poured copper is in the pictures)
GND on Top, Bottom: 92.65,78 92.65,55.93 110.65,55.93 110.65,19.4 104.25,0 81.4,5.65 68.75,8.3 67.95,18.9 6.22,22.53 0,53.2 0,71 17.25,81.8 38.05,88 57.45,88

## Text on the board
B.Mask: Selen r2 v.0.3.0 narrow | PCB Designed by @narinari
F.Mask: Selen r2 v.0.3.0 narrow | PCB Designed by @narinari
